# KiCad board keyboard.kicad_pcb (continued)
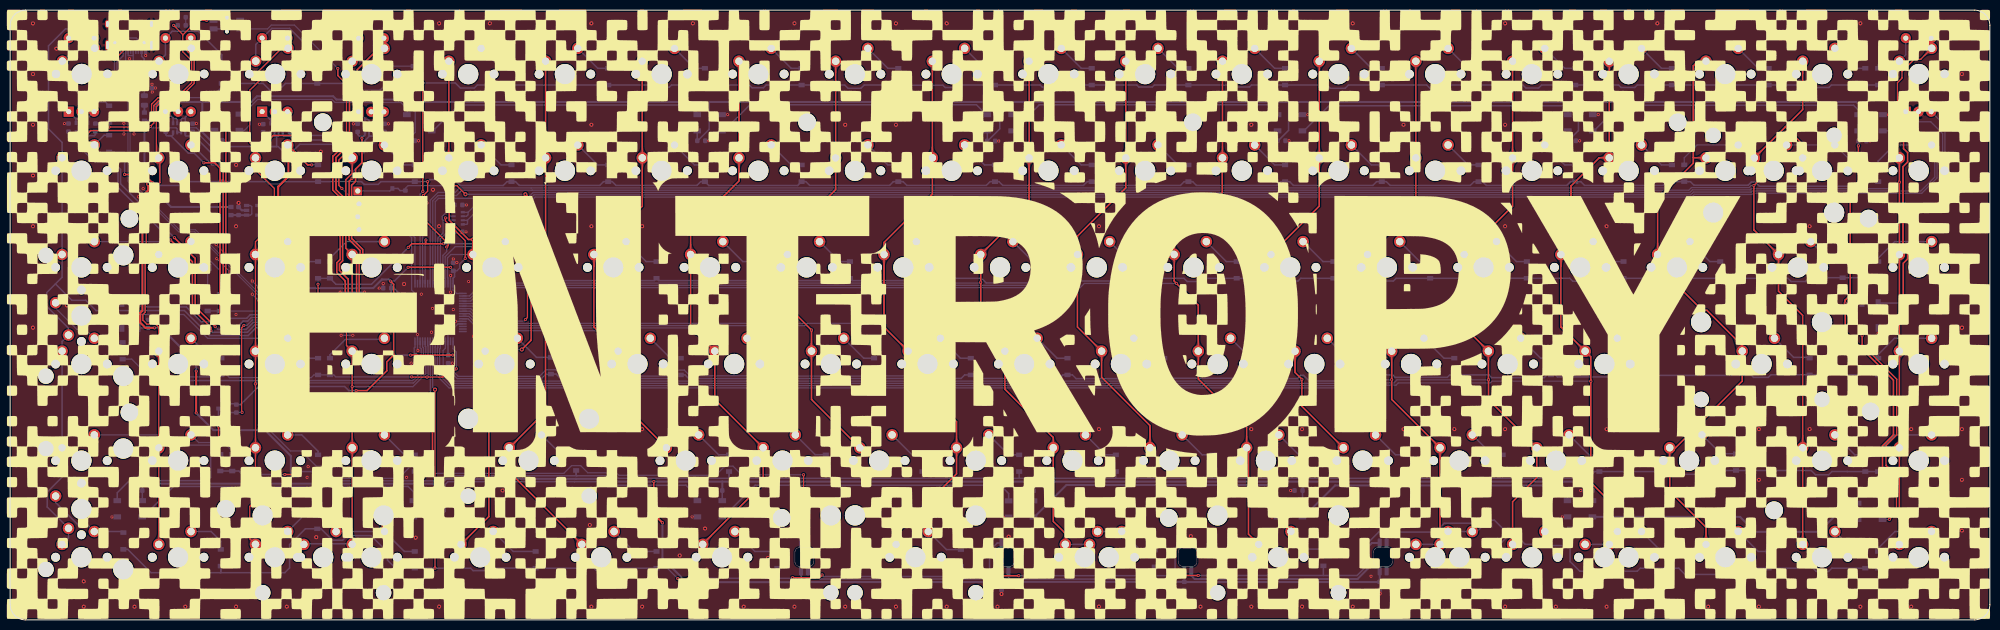
[diagram p0: board, top side]
## Routing (per net, layer and track width the routed paths; a pad name or vN(x,y) marks a point on that pad's centre or on a via; arc(x,y) is an arc through that point) (continued)
Net-(D_100-Pad2): length 10
  Bottom w0.3: D_100.2 122.9,13.49 K_100.2
Net-(D_101-Pad2): length 10
  Bottom w0.3: K_101.2 146.71,13.49 D_101.2
Net-(D_102-Pad2): length 12.8
  Bottom w0.3: K_102.2 K_111.2 222.65,13.75 D_102.2
Net-(D_103-Pad2): length 8.6
  Bottom w0.3: K_113.2 K_103.2 288.97,17.42 290.2,18.65 291.4,18.65
Net-(D_104-Pad2): length 12.4
  Bottom w0.3: K_104.2 K_115.2 325.31,13.49 D_104.2
Net-(D_105-Pad2): length 7.6
  Bottom w0.3: D_105.2 344.36,13.49 K_105.2
Net-(D_106-Pad2): length 7.6
  Bottom w0.3: K_106.2 363.41,13.49 D_106.2
Net-(D_107-Pad2): length 12.5
  Bottom w0.3: D_107.2 368,14.1 371.32,17.42 K_107.2
Net-(D_108-Pad2): length 7.5
  Bottom w0.3: D_108.2 60.45,21.3 58.56,21.3 K_108.2
Net-(D_110-Pad2): length 7.9
  Bottom w0.3: D_110.2 184.45,13.85 K_110.2
Net-(D_112-Pad2): length 7.8
  Bottom w0.3: K_112.2 255.79,13.95 D_112.2
Net-(D_114-Pad2): length 5.2
  Bottom w0.25: D_114.2 305.35,17.95 304.82,17.42 K_114.2
Net-(F1-Pad1): length 1.5
  Bottom w0.4: F1.1 FB1.2
Net-(J1-PadA5): length 7.9
  Bottom w0.25: J1.A5 22.25,111.17 21.05,109.97 R5.2
Net-(J1-PadB5): length 14.5
  Top w0.25: v1(20.55,110.45) 22.35,112.25 v1(22.35,114.05)
  Bottom w0.25: R6.1 20.55,105.99 v1(20.55,110.45) ; v1(22.35,114.05) 22.6,114.05 22.65,114.1 24.75,114.1 25.23,113.63 25.23,113.4 25.25,113.38 J1.B5
Net-(R10-Pad2): length 68.9
  Top w0.25: v1(64.55,108.7) 64.55,107.3 66.25,105.6 66.25,92.15 64.75,90.65 64.75,85.65 v1(65.35,85.05)
  Bottom w0.25: R10.2 75.97,79.97 74.95,81 71.48,81 69.23,83.25 67.15,83.25 v1(65.35,85.05) ; SW1.2 50.7,116.5 51.45,117.25 56,117.25 v1(64.55,108.7)
  Bottom w0.3: SW1.2 44,116.5 43.55,116.95 41.9,116.95 41.45,116.5 SW1.2

## Copper pours and planes (outline as drawn; the poured copper is in the pictures)
GND on Top: 390,-0.15 -0.1,0.1 -0.1,120.22 390,119.97
GND on Bottom: 390,-0.15 -0.1,0.1 -0.1,120.22 390,119.97
/col0 on Bottom: 11.39,16.25 11.33,16.2 11.26,16.16 11.18,16.12 11.08,16.09 10.97,16.06 10.85,16.04 10.72,16.02 10.57,16.01 10.41,16 10.24,16 9.83,14.48 11.35,14.89 11.35,15.06 11.36,15.22 11.37,15.37 11.39,15.5 11.41,15.62 11.44,15.73 11.47,15.83 11.51,15.91 11.55,15.98 11.6,16.04
/col0 on Bottom: 11.65,16.15 11.65,16.24 11.67,16.34 11.7,16.45 11.75,16.55 11.81,16.66 11.88,16.77 11.96,16.89 12.06,17.01 12.16,17.13 12.28,17.25 11.5,18.61 10.71,17.25 10.83,17.13 10.94,17.01 11.04,16.89 11.12,16.77 11.19,16.66 11.25,16.55 11.29,16.45 11.32,16.34 11.34,16.24 11.35,16.15
/col0 on Bottom: 10.33,54.78 10.39,54.83 10.46,54.87 10.55,54.91 10.64,54.94 10.75,54.97 10.87,54.99 11.01,55.01 11.15,55.02 11.31,55.03 11.49,55.03 11.9,56.55 10.37,56.14 10.37,55.97 10.37,55.81 10.35,55.66 10.34,55.53 10.31,55.41 10.29,55.3 10.25,55.2 10.21,55.12 10.17,55.05 10.12,54.99
/col0 on Bottom: 10.08,54.88 10.07,54.79 10.05,54.69 10.02,54.58 9.98,54.48 9.92,54.37 9.85,54.26 9.77,54.14 9.67,54.02 9.56,53.9 9.44,53.78 10.23,52.41 11.02,53.78 10.89,53.9 10.79,54.02 10.69,54.14 10.61,54.26 10.54,54.37 10.48,54.48 10.43,54.58 10.4,54.69 10.38,54.79 10.38,54.88
/col0 on Bottom: 10.38,69.67 10.38,69.86 10.4,70.03 10.43,70.2 10.48,70.37 10.54,70.52 10.61,70.68 10.69,70.82 10.79,70.96 10.89,71.1 11.02,71.22 10.23,72.59 9.44,71.22 9.56,71.1 9.67,70.96 9.77,70.82 9.85,70.68 9.92,70.52 9.98,70.37 10.02,70.2 10.05,70.03 10.07,69.86 10.08,69.67
/col0 on Bottom: 10.38,88.72 10.38,88.91 10.4,89.08 10.43,89.25 10.48,89.42 10.54,89.57 10.61,89.73 10.69,89.87 10.79,90.01 10.89,90.15 11.02,90.27 10.23,91.64 9.44,90.27 9.56,90.15 9.67,90.01 9.77,89.87 9.85,89.73 9.92,89.57 9.98,89.42 10.02,89.25 10.05,89.08 10.07,88.91 10.08,88.72
/col0 on Bottom: 10.08,74.38 10.07,74.2 10.05,74.02 10.02,73.85 9.98,73.69 9.92,73.53 9.85,73.38 9.77,73.23 9.67,73.09 9.56,72.96 9.44,72.83 10.23,71.47 11.02,72.83 10.89,72.96 10.79,73.09 10.69,73.23 10.61,73.38 10.54,73.53 10.48,73.69 10.43,73.85 10.4,74.02 10.38,74.2 10.38,74.38
/col0 on Bottom: 10.08,36.28 10.07,36.1 10.05,35.92 10.02,35.75 9.98,35.59 9.92,35.43 9.85,35.28 9.77,35.13 9.67,34.99 9.56,34.86 9.44,34.73 10.23,33.36 11.02,34.73 10.89,34.86 10.79,34.99 10.69,35.13 10.61,35.28 10.54,35.43 10.48,35.59 10.43,35.75 10.4,35.92 10.38,36.1 10.38,36.28
/col0 on Bottom: 10.38,50.62 10.38,50.81 10.4,50.98 10.43,51.15 10.48,51.32 10.54,51.47 10.61,51.63 10.69,51.77 10.79,51.91 10.89,52.05 11.02,52.17 10.23,53.54 9.44,52.17 9.56,52.05 9.67,51.91 9.77,51.77 9.85,51.63 9.92,51.47 9.98,51.32 10.02,51.15 10.05,50.98 10.07,50.81 10.08,50.62
/col0 on Bottom: 16.69,112.79 16.69,112.92 16.71,113.04 16.74,113.17 16.78,113.29 16.82,113.41 16.89,113.52 16.96,113.64 17.04,113.75 17.13,113.86 17.24,113.97 16.54,115.19 15.84,113.97 15.94,113.86 16.04,113.75 16.12,113.64 16.19,113.52 16.25,113.41 16.3,113.29 16.34,113.17 16.37,113.04 16.38,112.92 16.39,112.79
/col0 on Bottom: 16.39,114.69 16.4,114.57 16.4,114.44 16.38,114.32 16.35,114.2 16.31,114.08 16.25,113.96 16.17,113.84 16.09,113.72 15.98,113.59 15.87,113.47 16.64,112.14 17.41,113.47 17.29,113.59 17.18,113.72 17.08,113.84 16.99,113.96 16.92,114.08 16.85,114.2 16.79,114.32 16.75,114.44 16.71,114.57 16.69,114.69
/col0 on Bottom: 10.08,93.43 10.07,93.25 10.05,93.07 10.02,92.9 9.98,92.74 9.92,92.58 9.85,92.43 9.77,92.28 9.67,92.14 9.56,92.01 9.44,91.88 10.23,90.52 11.02,91.88 10.89,92.01 10.79,92.14 10.69,92.28 10.61,92.43 10.54,92.58 10.48,92.74 10.43,92.9 10.4,93.07 10.38,93.25 10.38,93.43
/col0 on Bottom: 14.98,116.03 15.09,115.92 15.18,115.8 15.27,115.68 15.34,115.55 15.4,115.42 15.45,115.28 15.49,115.14 15.52,115 15.53,114.85 15.54,114.7 16.89,114.33 16.53,115.69 16.38,115.69 16.23,115.71 16.08,115.73 15.94,115.77 15.81,115.82 15.68,115.88 15.55,115.96 15.43,116.04 15.31,116.14 15.19,116.24
/col0 on Bottom: 10.38,31.57 10.38,31.76 10.4,31.93 10.43,32.1 10.48,32.27 10.54,32.42 10.61,32.58 10.69,32.72 10.79,32.86 10.89,33 11.02,33.12 10.23,34.49 9.44,33.12 9.56,33 9.67,32.86 9.77,32.72 9.85,32.58 9.92,32.42 9.98,32.27 10.02,32.1 10.05,31.93 10.07,31.76 10.08,31.57
/col0 on Bottom: 9.73,19.61 9.85,19.48 9.96,19.34 10.06,19.2 10.14,19.05 10.22,18.9 10.27,18.74 10.32,18.58 10.35,18.41 10.37,18.24 10.37,18.06 11.9,17.65 11.49,19.18 11.31,19.18 11.14,19.2 10.97,19.23 10.81,19.28 10.65,19.33 10.5,19.41 10.35,19.49 10.21,19.59 10.07,19.7 9.94,19.82
/col1 on Top: 29.15,17.29 29.15,17.1 29.13,16.92 29.09,16.74 29.05,16.57 28.99,16.41 28.91,16.25 28.83,16.1 28.73,15.95 28.62,15.81 28.49,15.68 29.28,14.31 30.06,15.68 29.94,15.81 29.83,15.95 29.73,16.1 29.64,16.25 29.57,16.41 29.51,16.57 29.46,16.74 29.43,16.92 29.41,17.1 29.4,17.29
/col1 on Top: 29.4,31.51 29.41,31.7 29.43,31.89 29.46,32.06 29.51,32.23 29.57,32.4 29.64,32.55 29.73,32.71 29.83,32.85 29.94,32.99 30.06,33.12 29.28,34.49 28.49,33.12 28.62,32.99 28.73,32.85 28.83,32.71 28.91,32.55 28.99,32.4 29.05,32.23 29.09,32.06 29.13,31.89 29.15,31.7 29.15,31.51
/col1 on Top: 35.71,112.79 35.72,112.91 35.74,113.03 35.76,113.16 35.8,113.28 35.86,113.4 35.92,113.51 35.99,113.63 36.08,113.75 36.18,113.86 36.29,113.97 35.59,115.19 34.89,113.97 35,113.86 35.09,113.75 35.18,113.63 35.26,113.51 35.32,113.4 35.37,113.28 35.41,113.16 35.44,113.03 35.46,112.91 35.46,112.79
/col1 on Top: 35.46,114.69 35.48,114.57 35.47,114.45 35.46,114.33 35.42,114.21 35.38,114.09 35.31,113.97 35.24,113.85 35.15,113.72 35.04,113.6 34.92,113.47 35.69,112.14 36.46,113.47 36.33,113.6 36.22,113.72 36.12,113.85 36.03,113.97 35.95,114.09 35.88,114.21 35.82,114.33 35.77,114.45 35.74,114.57 35.71,114.69
/col1 on Top: 26.92,71.88 27.11,71.87 27.28,71.85 27.45,71.82 27.62,71.78 27.77,71.72 27.93,71.65 28.07,71.57 28.21,71.47 28.35,71.36 28.47,71.24 29.84,72.03 28.47,72.81 28.35,72.69 28.21,72.59 28.07,72.49 27.93,72.41 27.77,72.34 27.62,72.28 27.45,72.23 27.28,72.2 27.11,72.18 26.92,72.18
/col1 on Top: 29.4,50.56 29.41,50.75 29.43,50.94 29.46,51.11 29.51,51.28 29.57,51.45 29.64,51.6 29.73,51.76 29.83,51.9 29.94,52.04 30.06,52.17 29.28,53.54 28.49,52.17 28.62,52.04 28.73,51.9 28.83,51.76 28.91,51.6 28.99,51.45 29.05,51.28 29.09,51.11 29.13,50.94 29.15,50.75 29.15,50.56
/col1 on Top: 29.15,36.34 29.15,36.15 29.13,35.97 29.09,35.79 29.05,35.62 28.99,35.46 28.91,35.3 28.83,35.15 28.73,35 28.62,34.86 28.49,34.73 29.28,33.36 30.06,34.73 29.94,34.86 29.83,35 29.73,35.15 29.64,35.3 29.57,35.46 29.51,35.62 29.46,35.79 29.43,35.97 29.41,36.15 29.4,36.34
/col1 on Top: 29.62,88.44 29.59,88.67 29.57,88.89 29.57,89.1 29.59,89.3 29.62,89.49 29.68,89.67 29.75,89.84 29.84,89.99 29.94,90.14 30.06,90.27 29.28,91.64 28.49,90.27 28.62,90.14 28.74,89.99 28.85,89.84 28.95,89.67 29.04,89.49 29.13,89.3 29.2,89.1 29.27,88.89 29.33,88.67 29.38,88.44
/col1 on Top: 36.38,109.77 36.27,110.06 36.2,110.34 36.15,110.59 36.12,110.83 36.11,111.05 36.13,111.26 36.18,111.44 36.25,111.61 36.34,111.77 36.46,111.9 35.69,113.24 34.92,111.9 35.05,111.77 35.17,111.61 35.3,111.44 35.42,111.26 35.54,111.05 35.66,110.83 35.78,110.59 35.9,110.34 36.01,110.06 36.12,109.77
/col1 on Top: 28.67,93.97 28.76,93.69 28.82,93.43 28.86,93.18 28.87,92.94 28.87,92.73 28.84,92.53 28.78,92.34 28.71,92.17 28.61,92.02 28.49,91.88 29.28,90.52 30.06,91.88 29.93,92.02 29.81,92.17 29.68,92.34 29.56,92.53 29.45,92.73 29.34,92.94 29.23,93.18 29.12,93.43 29.02,93.69 28.92,93.97
/col1 on Top: 29.15,55.39 29.15,55.2 29.13,55.02 29.09,54.84 29.05,54.67 28.99,54.51 28.91,54.35 28.83,54.2 28.73,54.05 28.62,53.91 28.49,53.78 29.28,52.41 30.06,53.78 29.94,53.91 29.83,54.05 29.73,54.2 29.64,54.35 29.57,54.51 29.51,54.67 29.46,54.84 29.43,55.02 29.41,55.2 29.4,55.39
/col2 on Top: 47.11,15.92 47.13,15.89 47.15,15.84 47.16,15.78 47.17,15.7 47.18,15.61 47.19,15.5 47.2,15.37 47.2,15.23 47.2,15.07 47.2,14.89 48.73,14.48 48.32,16 48.14,16 47.98,16 47.83,16.01 47.71,16.01 47.6,16.02 47.5,16.03 47.42,16.04 47.36,16.06 47.32,16.07 47.29,16.09
/col2 on Top: 48.45,31.51 48.46,31.7 48.48,31.89 48.51,32.06 48.56,32.23 48.62,32.4 48.69,32.55 48.78,32.71 48.88,32.85 48.99,32.99 49.12,33.12 48.33,34.49 47.54,33.12 47.67,32.99 47.78,32.85 47.88,32.71 47.96,32.55 48.04,32.4 48.1,32.23 48.14,32.06 48.18,31.89 48.2,31.7 48.2,31.51
/col2 on Top: 48.45,50.56 48.46,50.75 48.48,50.94 48.51,51.11 48.56,51.28 48.62,51.45 48.69,51.6 48.78,51.76 48.88,51.9 48.99,52.04 49.12,52.17 48.33,53.54 47.54,52.17 47.67,52.04 47.78,51.9 47.88,51.76 47.96,51.6 48.04,51.45 48.1,51.28 48.14,51.11 48.18,50.94 48.2,50.75 48.2,50.56
/col2 on Top: 48.2,36.34 48.2,36.15 48.18,35.97 48.14,35.79 48.1,35.62 48.04,35.46 47.96,35.3 47.88,35.15 47.78,35 47.67,34.86 47.54,34.73 48.33,33.36 49.12,34.73 48.99,34.86 48.88,35 48.78,35.15 48.69,35.3 48.62,35.46 48.56,35.62 48.51,35.79 48.48,35.97 48.46,36.15 48.45,36.34
/col2 on Top: 48.2,92.97 48.2,92.88 48.18,92.79 48.14,92.69 48.1,92.59 48.04,92.48 47.96,92.37 47.88,92.25 47.78,92.13 47.67,92.01 47.54,91.88 48.33,90.52 49.12,91.88 48.99,92.01 48.88,92.13 48.78,92.25 48.69,92.37 48.62,92.48 48.56,92.59 48.51,92.69 48.48,92.79 48.46,92.88 48.45,92.97
/col2 on Top: 48.45,69.61 48.46,69.8 48.48,69.99 48.51,70.16 48.56,70.33 48.62,70.5 48.69,70.65 48.78,70.81 48.88,70.95 48.99,71.09 49.12,71.22 48.33,72.59 47.54,71.22 47.67,71.09 47.78,70.95 47.88,70.81 47.96,70.65 48.04,70.5 48.1,70.33 48.14,70.16 48.18,69.99 48.2,69.8 48.2,69.61
/col2 on Top: 48.2,55.39 48.2,55.2 48.18,55.02 48.14,54.84 48.1,54.67 48.04,54.51 47.96,54.35 47.88,54.2 47.78,54.05 47.67,53.91 47.54,53.78 48.33,52.41 49.12,53.78 48.99,53.91 48.88,54.05 48.78,54.2 48.69,54.35 48.62,54.51 48.56,54.67 48.51,54.84 48.48,55.02 48.46,55.2 48.45,55.39
/col2 on Top: 48.2,74.44 48.2,74.25 48.18,74.07 48.14,73.89 48.1,73.72 48.04,73.56 47.96,73.4 47.88,73.25 47.78,73.1 47.67,72.96 47.54,72.83 48.33,71.47 49.12,72.83 48.99,72.96 48.88,73.1 48.78,73.25 48.69,73.4 48.62,73.56 48.56,73.72 48.51,73.89 48.48,74.07 48.46,74.25 48.45,74.44
/col2 on Top: 48.45,88.77 48.46,88.94 48.48,89.11 48.51,89.27 48.56,89.42 48.62,89.57 48.69,89.72 48.78,89.87 48.88,90.01 48.99,90.14 49.12,90.27 48.33,91.64 47.54,90.27 47.67,90.14 47.78,90.01 47.88,89.87 47.96,89.72 48.04,89.57 48.1,89.42 48.14,89.27 48.18,89.11 48.2,88.94 48.2,88.77
/col2 on Bottom: 54.79,112.79 54.79,112.92 54.81,113.04 54.84,113.17 54.88,113.29 54.92,113.41 54.99,113.52 55.06,113.64 55.14,113.75 55.23,113.86 55.34,113.97 54.64,115.19 53.94,113.97 54.04,113.86 54.14,113.75 54.22,113.64 54.29,113.52 54.35,113.41 54.4,113.29 54.44,113.17 54.47,113.04 54.48,112.92 54.49,112.79
/col2 on Bottom: 54.49,114.69 54.5,114.57 54.5,114.44 54.48,114.32 54.45,114.2 54.41,114.08 54.35,113.96 54.27,113.84 54.19,113.72 54.08,113.59 53.97,113.47 54.74,112.14 55.51,113.47 55.39,113.59 55.28,113.72 55.18,113.84 55.09,113.96 55.02,114.08 54.95,114.2 54.89,114.32 54.85,114.44 54.81,114.57 54.79,114.69
/col3 on Top: 67.25,17.29 67.25,17.1 67.23,16.92 67.19,16.74 67.15,16.57 67.09,16.41 67.01,16.25 66.93,16.1 66.83,15.95 66.72,15.81 66.59,15.68 67.38,14.31 68.16,15.68 68.04,15.81 67.93,15.95 67.83,16.1 67.74,16.25 67.67,16.41 67.61,16.57 67.56,16.74 67.53,16.92 67.51,17.1 67.5,17.29
/col3 on Top: 67.5,31.51 67.51,31.7 67.53,31.89 67.56,32.06 67.61,32.23 67.67,32.4 67.74,32.55 67.83,32.71 67.93,32.85 68.04,32.99 68.16,33.12 67.38,34.49 66.59,33.12 66.72,32.99 66.83,32.85 66.93,32.71 67.01,32.55 67.09,32.4 67.15,32.23 67.19,32.06 67.23,31.89 67.25,31.7 67.25,31.51
/col3 on Top: 66.04,73.19 66.08,73.14 66.12,73.07 66.15,72.99 66.18,72.9 66.2,72.79 66.22,72.67 66.24,72.53 66.25,72.38 66.25,72.22 66.25,72.04 67.78,71.63 67.37,73.15 67.19,73.15 67.02,73.16 66.87,73.17 66.74,73.18 66.61,73.2 66.51,73.23 66.41,73.25 66.33,73.29 66.27,73.33 66.21,73.37
/col3 on Top: 67.5,88.66 67.51,88.85 67.53,89.04 67.56,89.21 67.61,89.38 67.67,89.55 67.74,89.7 67.83,89.86 67.93,90 68.04,90.14 68.16,90.27 67.38,91.64 66.59,90.27 66.72,90.14 66.83,90 66.93,89.86 67.01,89.7 67.09,89.55 67.15,89.38 67.19,89.21 67.23,89.04 67.25,88.85 67.25,88.66
/col3 on Top: 67.5,50.56 67.51,50.75 67.53,50.94 67.56,51.11 67.61,51.28 67.67,51.45 67.74,51.6 67.83,51.76 67.93,51.9 68.04,52.04 68.16,52.17 67.38,53.54 66.59,52.17 66.72,52.04 66.83,51.9 66.93,51.76 67.01,51.6 67.09,51.45 67.15,51.28 67.19,51.11 67.23,50.94 67.25,50.75 67.25,50.56
/col3 on Top: 67.25,36.34 67.25,36.15 67.23,35.97 67.19,35.79 67.15,35.62 67.09,35.46 67.01,35.3 66.93,35.15 66.83,35 66.72,34.86 66.59,34.73 67.38,33.36 68.16,34.73 68.04,34.86 67.93,35 67.83,35.15 67.74,35.3 67.67,35.46 67.61,35.62 67.56,35.79 67.53,35.97 67.51,36.15 67.5,36.34
/col3 on Top: 67.5,69.61 67.51,69.8 67.53,69.99 67.56,70.16 67.61,70.33 67.67,70.5 67.74,70.65 67.83,70.81 67.93,70.95 68.04,71.09 68.16,71.22 67.38,72.59 66.59,71.22 66.72,71.09 66.83,70.95 66.93,70.81 67.01,70.65 67.09,70.5 67.15,70.33 67.19,70.16 67.23,69.99 67.25,69.8 67.25,69.61
/col3 on Top: 66.16,54.01 66.18,53.99 66.2,53.94 66.21,53.88 66.23,53.8 66.24,53.71 66.24,53.6 66.25,53.47 66.25,53.33 66.25,53.17 66.25,52.99 67.78,52.58 67.37,54.1 67.19,54.1 67.03,54.1 66.88,54.11 66.76,54.11 66.65,54.12 66.55,54.13 66.47,54.14 66.41,54.16 66.37,54.17 66.34,54.19
/col3 on Top: 66.7,93.96 66.79,93.68 66.86,93.41 66.91,93.16 66.94,92.93 66.94,92.71 66.91,92.51 66.87,92.33 66.8,92.16 66.71,92.01 66.59,91.88 67.38,90.52 68.16,91.88 68.04,92.01 67.91,92.16 67.79,92.33 67.67,92.51 67.56,92.71 67.44,92.93 67.33,93.16 67.22,93.41 67.11,93.68 67,93.96
/col3 on Bottom: 73.78,112.77 73.78,112.9 73.8,113.02 73.83,113.15 73.87,113.27 73.91,113.39 73.98,113.5 74.05,113.62 74.13,113.73 74.22,113.84 74.33,113.95 73.63,115.17 72.93,113.95 73.03,113.84 73.13,113.73 73.21,113.62 73.28,113.5 73.34,113.39 73.39,113.27 73.43,113.15 73.46,113.02 73.47,112.9 73.48,112.77
/col3 on Bottom: 73.48,114.67 73.49,114.55 73.49,114.42 73.47,114.3 73.44,114.18 73.4,114.06 73.34,113.94 73.26,113.82 73.18,113.7 73.07,113.57 72.96,113.45 73.73,112.12 74.5,113.45 74.38,113.57 74.27,113.7 74.17,113.82 74.08,113.94 74.01,114.06 73.94,114.18 73.88,114.3 73.84,114.42 73.8,114.55 73.78,114.67
/col3 on Bottom: 60.33,15.15 60.12,15.13 59.93,15.13 59.74,15.14 59.56,15.17 59.39,15.22 59.22,15.28 59.07,15.35 58.92,15.44 58.79,15.55 58.66,15.66 57.29,14.88 58.66,14.09 58.79,14.21 58.92,14.32 59.07,14.43 59.22,14.52 59.39,14.6 59.56,14.67 59.74,14.73 59.93,14.78 60.12,14.82 60.33,14.85
/col3 on Bottom: 64.9,14.85 65.11,14.82 65.3,14.78 65.49,14.73 65.67,14.67 65.84,14.6 66.01,14.52 66.16,14.43 66.31,14.32 66.44,14.21 66.57,14.09 67.94,14.88 66.57,15.66 66.44,15.55 66.31,15.44 66.16,15.35 66.01,15.28 65.84,15.22 65.67,15.17 65.49,15.14 65.3,15.13 65.11,15.13 64.9,15.15
/col4 on Top: 90.37,16.65 90.23,16.52 90.1,16.41 89.95,16.32 89.81,16.23 89.65,16.16 89.5,16.1 89.33,16.06 89.17,16.03 89,16.01 88.82,16 88.41,14.48 89.93,14.89 89.94,15.06 89.96,15.24 89.99,15.4 90.03,15.56 90.09,15.72 90.16,15.87 90.25,16.02 90.34,16.16 90.45,16.3 90.58,16.44
/col4 on Top: 94.45,49.89 94.32,50.22 94.21,50.52 94.14,50.79 94.09,51.05 94.06,51.29 94.07,51.51 94.1,51.71 94.16,51.88 94.24,52.04 94.36,52.17 93.57,53.54 92.78,52.17 92.91,52.04 93.04,51.88 93.17,51.71 93.31,51.51 93.44,51.29 93.58,51.05 93.72,50.79 93.86,50.52 94.01,50.22 94.15,49.89
/col4 on Top: 86.58,107.77 86.58,107.96 86.6,108.13 86.63,108.3 86.68,108.47 86.74,108.62 86.81,108.78 86.89,108.92 86.99,109.06 87.09,109.2 87.22,109.32 86.43,110.69 85.64,109.32 85.76,109.2 85.87,109.06 85.97,108.92 86.05,108.78 86.12,108.62 86.18,108.47 86.22,108.3 86.25,108.13 86.27,107.96 86.28,107.77
/col4 on Top: 86.28,93.43 86.27,93.25 86.25,93.07 86.22,92.9 86.18,92.74 86.12,92.58 86.05,92.43 85.97,92.28 85.87,92.14 85.76,92.01 85.64,91.88 86.43,90.52 87.22,91.88 87.09,92.01 86.99,92.14 86.89,92.28 86.81,92.43 86.74,92.58 86.68,92.74 86.63,92.9 86.6,93.07 86.58,93.25 86.58,93.43
/col4 on Top: 91.04,74.38 91.03,74.2 91.01,74.02 90.98,73.85 90.94,73.69 90.88,73.53 90.81,73.38 90.73,73.23 90.63,73.09 90.52,72.96 90.4,72.83 91.19,71.47 91.98,72.83 91.86,72.96 91.75,73.09 91.65,73.23 91.57,73.38 91.5,73.53 91.44,73.69 91.4,73.85 91.37,74.02 91.35,74.2 91.34,74.38
/col4 on Top: 86.58,89.49 86.58,89.52 86.6,89.57 86.63,89.63 86.68,89.69 86.74,89.76 86.81,89.85 86.89,89.94 86.99,90.04 87.09,90.15 87.22,90.27 86.43,91.64 85.64,90.27 85.76,90.15 85.87,90.04 85.97,89.94 86.05,89.85 86.12,89.76 86.18,89.69 86.22,89.63 86.25,89.57 86.27,89.52 86.28,89.49
/col4 on Bottom: 96.25,53.45 96,53.4 95.77,53.36 95.55,53.34 95.35,53.35 95.16,53.37 94.97,53.41 94.81,53.47 94.65,53.55 94.51,53.65 94.37,53.76 93.01,52.98 94.37,52.19 94.51,52.31 94.65,52.43 94.81,52.54 94.97,52.65 95.16,52.75 95.35,52.84 95.55,52.93 95.77,53.01 96,53.08 96.25,53.15
/col4 on Bottom: 88.78,71.9 88.96,71.9 89.15,71.88 89.32,71.84 89.5,71.8 89.66,71.74 89.82,71.66 89.97,71.58 90.11,71.48 90.25,71.37 90.39,71.24 91.75,72.03 90.39,72.81 90.25,72.69 90.11,72.58 89.97,72.48 89.82,72.39 89.66,72.32 89.5,72.26 89.32,72.21 89.15,72.18 88.96,72.16 88.78,72.15
/col5 on Top: 105.33,93.43 105.32,93.25 105.3,93.07 105.27,92.9 105.23,92.74 105.17,92.58 105.1,92.43 105.02,92.28 104.92,92.14 104.81,92.01 104.69,91.88 105.48,90.52 106.26,91.88 106.14,92.01 106.04,92.14 105.94,92.28 105.86,92.43 105.79,92.58 105.73,92.74 105.68,92.9 105.65,93.07 105.63,93.25 105.63,93.43
/col5 on Top: 105.63,107.77 105.63,107.96 105.65,108.13 105.68,108.3 105.73,108.47 105.79,108.62 105.86,108.78 105.94,108.92 106.04,109.06 106.14,109.2 106.26,109.32 105.48,110.69 104.69,109.32 104.81,109.2 104.92,109.06 105.02,108.92 105.1,108.78 105.17,108.62 105.23,108.47 105.27,108.3 105.3,108.13 105.32,107.96 105.33,107.77
/col5 on Top: 110.85,16.44 110.98,16.3 111.09,16.16 111.18,16.02 111.27,15.87 111.34,15.72 111.4,15.56 111.44,15.4 111.47,15.24 111.49,15.06 111.5,14.89 113.02,14.48 112.61,16 112.43,16.01 112.26,16.03 112.1,16.06 111.93,16.1 111.78,16.16 111.62,16.23 111.48,16.32 111.33,16.41 111.2,16.52 111.06,16.65
/col5 on Top: 98.95,31.11 98.87,31.38 98.81,31.63 98.77,31.87 98.75,32.1 98.76,32.31 98.79,32.5 98.84,32.68 98.91,32.84 99,32.99 99.12,33.12 98.33,34.49 97.55,33.12 97.67,32.99 97.79,32.84 97.91,32.68 98.03,32.5 98.14,32.31 98.25,32.1 98.35,31.87 98.46,31.63 98.56,31.38 98.65,31.11
/col5 on Top: 105.63,88.72 105.63,88.91 105.65,89.08 105.68,89.25 105.73,89.42 105.79,89.57 105.86,89.73 105.94,89.87 106.04,90.01 106.14,90.15 106.26,90.27 105.48,91.64 104.69,90.27 104.81,90.15 104.92,90.01 105.02,89.87 105.1,89.73 105.17,89.57 105.23,89.42 105.27,89.25 105.3,89.08 105.32,88.91 105.33,88.72
/col5 on Top: 99.89,35.7 99.76,35.57 99.62,35.46 99.48,35.37 99.33,35.28 99.18,35.21 99.02,35.15 98.86,35.11 98.69,35.08 98.52,35.06 98.34,35.05 97.94,33.53 99.46,33.94 99.46,34.11 99.48,34.29 99.51,34.45 99.56,34.61 99.62,34.77 99.69,34.92 99.77,35.07 99.87,35.21 99.98,35.35 100.1,35.49
/col6 on Top: 119.91,50.62 119.92,50.81 119.94,50.98 119.97,51.15 120.02,51.32 120.07,51.47 120.14,51.63 120.23,51.77 120.32,51.91 120.43,52.05 120.55,52.17 119.76,53.54 118.98,52.17 119.1,52.05 119.21,51.91 119.3,51.77 119.39,51.63 119.46,51.47 119.51,51.32 119.56,51.15 119.59,50.98 119.61,50.81 119.62,50.62
/col6 on Top: 127.52,35.49 127.64,35.35 127.75,35.21 127.85,35.07 127.94,34.92 128.01,34.77 128.07,34.61 128.11,34.45 128.14,34.29 128.16,34.11 128.17,33.94 129.69,33.53 129.28,35.05 129.1,35.06 128.93,35.08 128.76,35.11 128.6,35.15 128.45,35.21 128.29,35.28 128.15,35.37 128,35.46 127.86,35.57 127.73,35.7
/col6 on Top: 115.15,69.67 115.16,69.86 115.18,70.03 115.21,70.2 115.25,70.37 115.31,70.52 115.38,70.68 115.46,70.82 115.56,70.96 115.67,71.1 115.79,71.22 115,72.59 114.22,71.22 114.34,71.1 114.44,70.96 114.54,70.82 114.62,70.68 114.69,70.52 114.75,70.37 114.8,70.2 114.83,70.03 114.85,69.86 114.85,69.67
/col6 on Top: 116.56,73.8 116.43,73.67 116.29,73.56 116.15,73.47 116,73.38 115.85,73.31 115.69,73.25 115.53,73.21 115.36,73.18 115.19,73.16 115.01,73.15 114.6,71.63 116.13,72.04 116.13,72.21 116.15,72.39 116.18,72.55 116.23,72.71 116.28,72.87 116.36,73.02 116.44,73.17 116.54,73.31 116.65,73.45 116.77,73.59
/col6 on Top: 124.68,88.72 124.68,88.91 124.7,89.08 124.73,89.25 124.78,89.42 124.84,89.57 124.91,89.73 124.99,89.87 125.09,90.01 125.19,90.15 125.31,90.27 124.53,91.64 123.74,90.27 123.86,90.15 123.97,90.01 124.07,89.87 124.15,89.73 124.22,89.57 124.28,89.42 124.32,89.25 124.35,89.08 124.37,88.91 124.38,88.72
/col6 on Top: 124.68,107.77 124.68,107.96 124.7,108.13 124.73,108.3 124.78,108.47 124.84,108.62 124.91,108.78 124.99,108.92 125.09,109.06 125.19,109.2 125.31,109.32 124.53,110.69 123.74,109.32 123.86,109.2 123.97,109.06 124.07,108.92 124.15,108.78 124.22,108.62 124.28,108.47 124.32,108.3 124.35,108.13 124.37,107.96 124.38,107.77
/col6 on Top: 124.38,93.43 124.37,93.25 124.35,93.07 124.32,92.9 124.28,92.74 124.22,92.58 124.15,92.43 124.07,92.28 123.97,92.14 123.86,92.01 123.74,91.88 124.53,90.52 125.31,91.88 125.19,92.01 125.09,92.14 124.99,92.28 124.91,92.43 124.84,92.58 124.78,92.74 124.73,92.9 124.7,93.07 124.68,93.25 124.68,93.43
/col6 on Top: 117.99,54.54 118.12,54.4 118.23,54.26 118.33,54.12 118.41,53.97 118.48,53.82 118.54,53.66 118.59,53.5 118.62,53.34 118.64,53.16 118.64,52.99 120.16,52.58 119.75,54.1 119.58,54.11 119.41,54.13 119.24,54.16 119.08,54.2 118.92,54.26 118.77,54.33 118.62,54.42 118.48,54.51 118.34,54.62 118.21,54.75
/col7 on Top: 143.73,107.77 143.73,107.96 143.75,108.13 143.78,108.3 143.83,108.47 143.89,108.62 143.96,108.78 144.04,108.92 144.14,109.06 144.24,109.2 144.37,109.32 143.58,110.69 142.79,109.32 142.91,109.2 143.02,109.06 143.12,108.92 143.2,108.78 143.27,108.62 143.33,108.47 143.37,108.3 143.4,108.13 143.42,107.96 143.43,107.77
/col7 on Top: 143.43,93.43 143.42,93.25 143.4,93.07 143.37,92.9 143.33,92.74 143.27,92.58 143.2,92.43 143.12,92.28 143.02,92.14 142.91,92.01 142.79,91.88 143.58,90.52 144.37,91.88 144.24,92.01 144.14,92.14 144.04,92.28 143.96,92.43 143.89,92.58 143.83,92.74 143.78,92.9 143.75,93.07 143.73,93.25 143.73,93.43
/col7 on Top: 143.73,88.72 143.73,88.91 143.75,89.08 143.78,89.25 143.83,89.42 143.89,89.57 143.96,89.73 144.04,89.87 144.14,90.01 144.24,90.15 144.37,90.27 143.58,91.64 142.79,90.27 142.91,90.15 143.02,90.01 143.12,89.87 143.2,89.73 143.27,89.57 143.33,89.42 143.37,89.25 143.4,89.08 143.42,88.91 143.43,88.72
/col7 on Top: 133.9,74.38 133.9,74.2 133.88,74.02 133.85,73.85 133.8,73.69 133.74,73.53 133.67,73.38 133.59,73.23 133.49,73.09 133.39,72.96 133.26,72.83 134.05,71.47 134.84,72.83 134.72,72.96 134.61,73.09 134.51,73.23 134.43,73.38 134.36,73.53 134.3,73.69 134.26,73.85 134.23,74.02 134.21,74.2 134.2,74.38
/col7 on Top: 134.2,69.67 134.21,69.86 134.23,70.03 134.26,70.2 134.3,70.37 134.36,70.52 134.43,70.68 134.51,70.82 134.61,70.96 134.72,71.1 134.84,71.22 134.05,72.59 133.26,71.22 133.39,71.1 133.49,70.96 133.59,70.82 133.67,70.68 133.74,70.52 133.8,70.37 133.85,70.2 133.88,70.03 133.9,69.86 133.9,69.67
/col7 on Top: 146.57,35.49 146.69,35.35 146.8,35.21 146.9,35.07 146.99,34.92 147.06,34.77 147.12,34.61 147.16,34.45 147.19,34.29 147.21,34.11 147.22,33.94 148.74,33.53 148.33,35.05 148.15,35.06 147.98,35.08 147.81,35.11 147.65,35.15 147.5,35.21 147.34,35.28 147.2,35.37 147.05,35.46 146.91,35.57 146.78,35.7
